# Altium PCB Evaluation Board.PcbDoc (part 11 of 22) (continued)
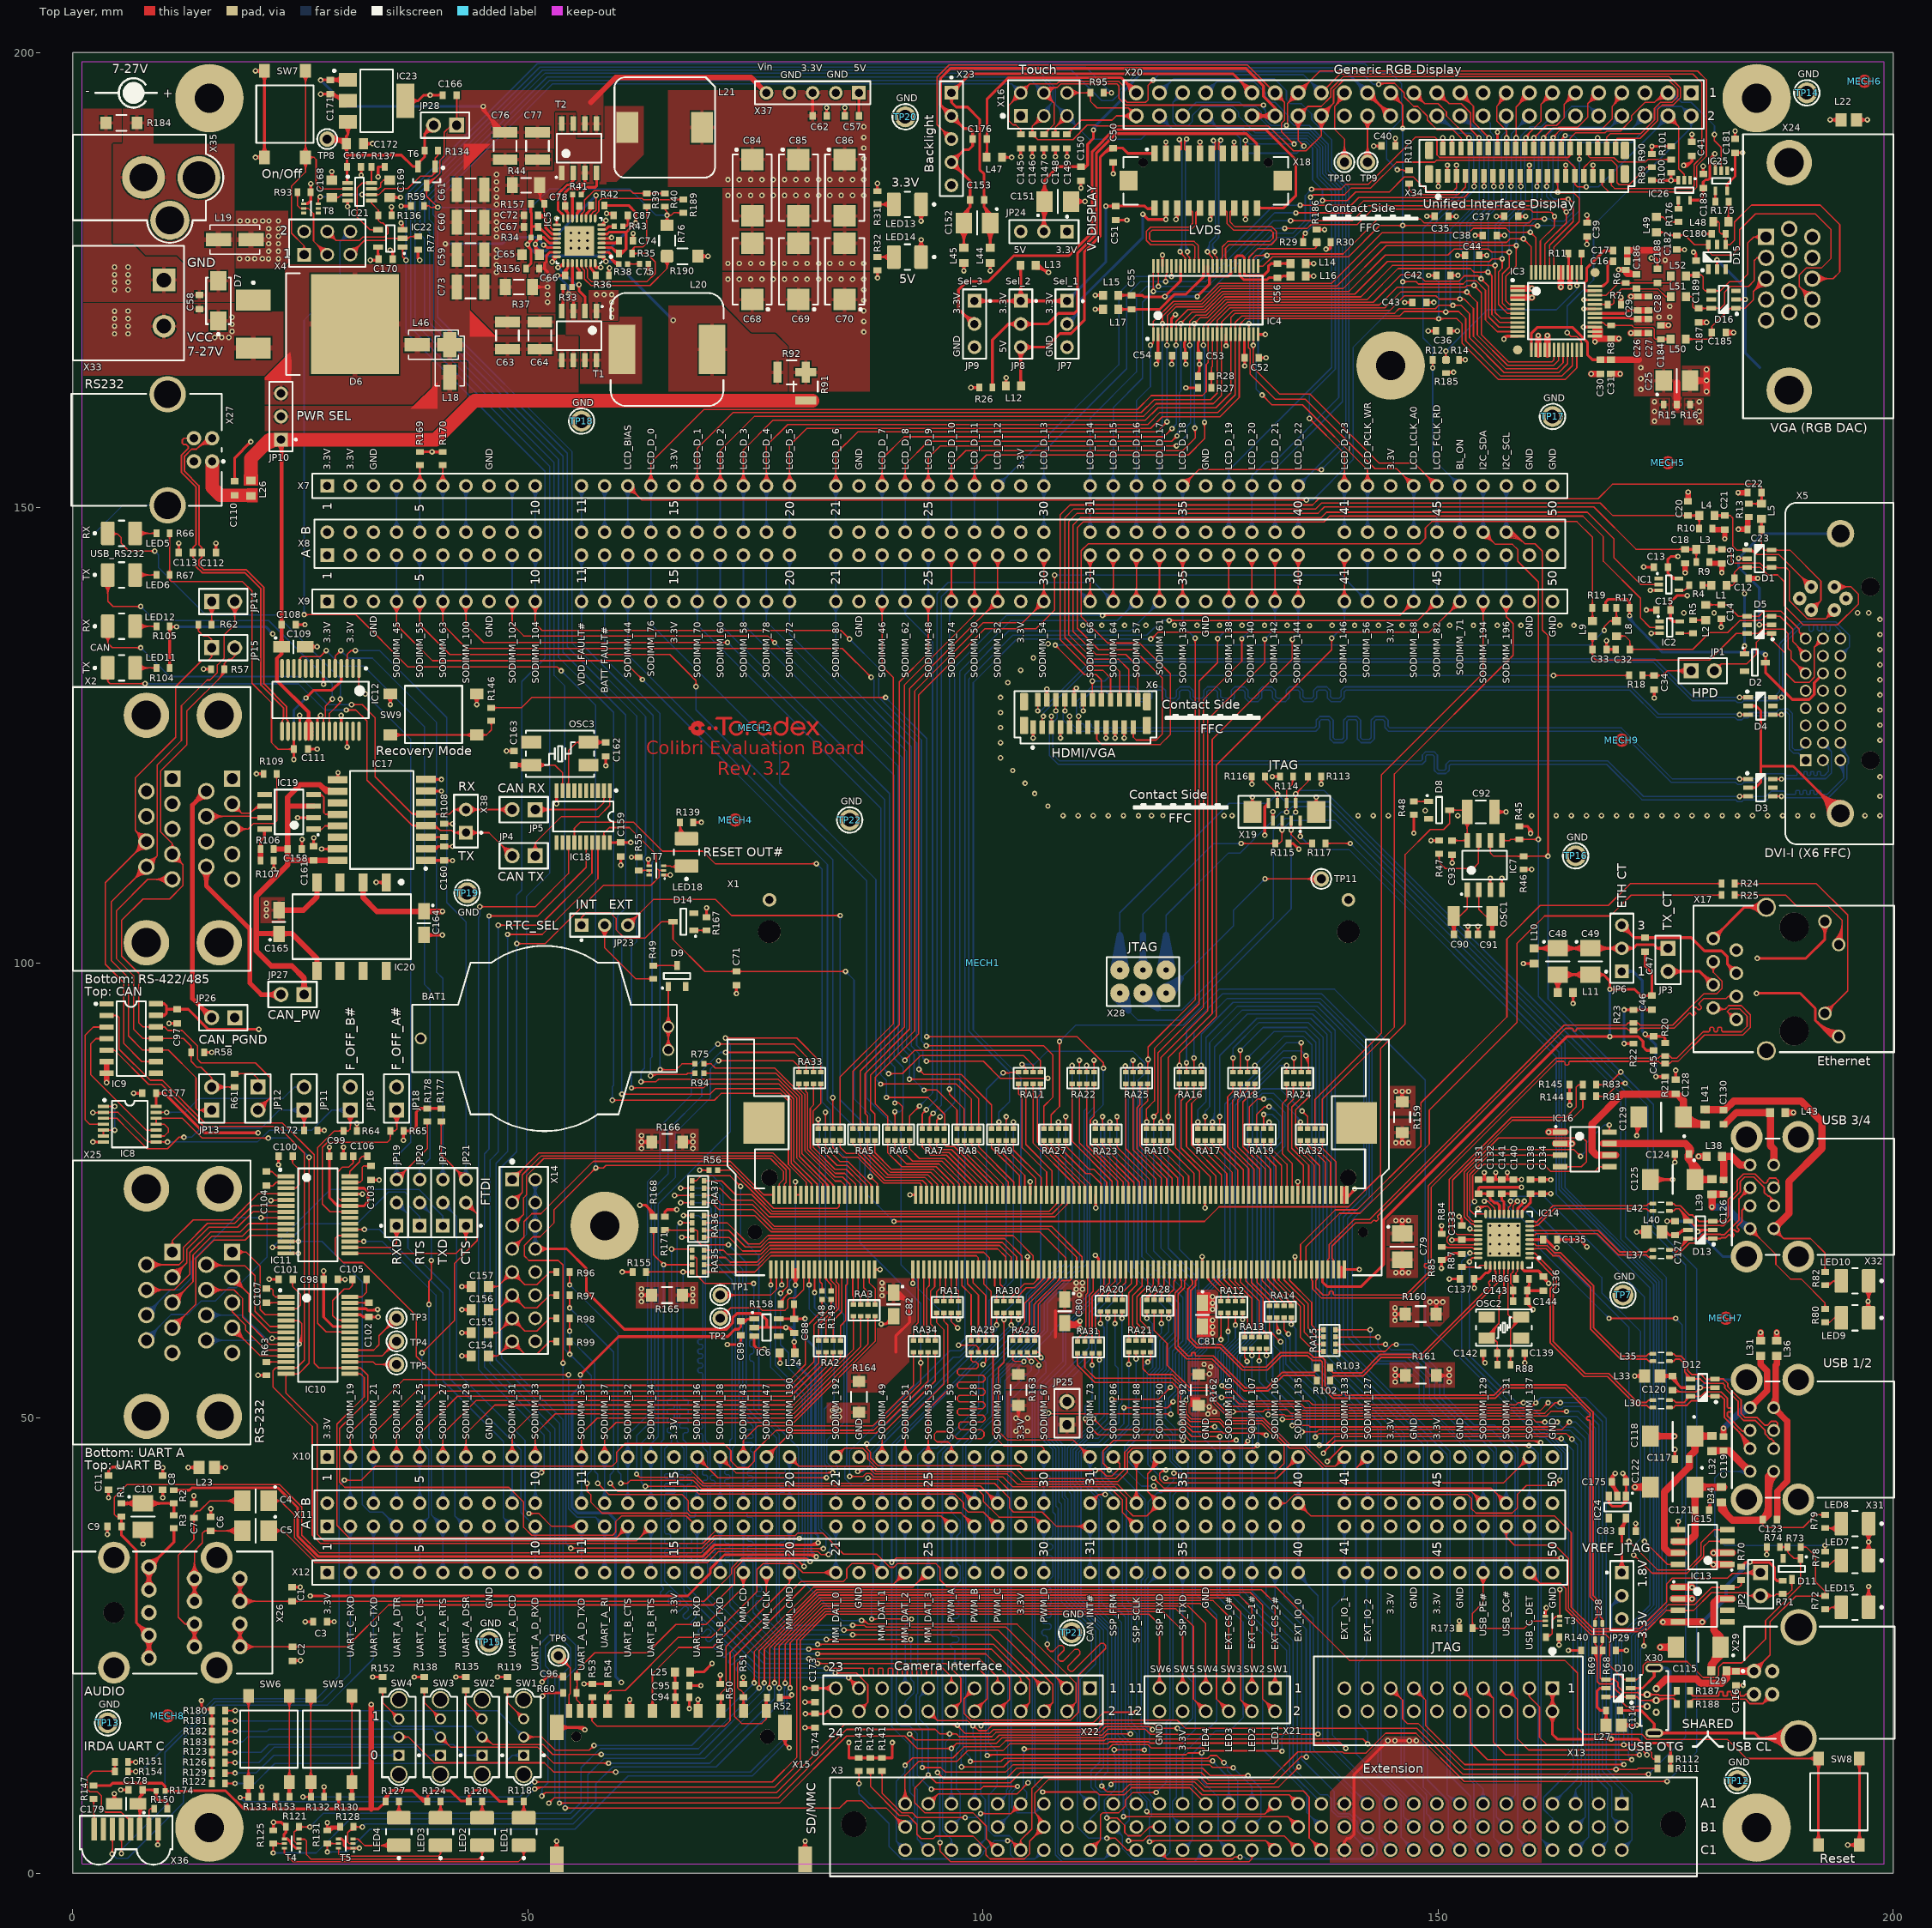
[diagram p0: Top Layer view]
## Nets (pads, with @x,y where several pads share a name; then routed paths per layer and width w, separated by ;. In a path a pad name is that pad's centre, name@x,y a point inside that pad or via, vN(x,y) a via of type N, cw(c..) or ccw(c..) an arc to the next point about the centre after c; other vN are vias at no path point) (continued)
LCD_D_20: X7.38 X8.B38 X20.45 | length 90.2
  Bottom Layer w0.15: X20.45@121.178,195.468 cw(c120.096,195.304) 120.87,194.53 ; X20.45@121.327,195.49 cw(c120.461,195.359) 121.08,194.74 cw(c121.699,194.121) X20.45@121.83,194.987 ; X20.45@121.475,195.513 cw(c120.826,195.415) 121.29,194.95 cw(c121.755,194.486) X20.45@121.853,195.135 ; X20.45@121.808,194.838 ccw(c121.644,193.756) 120.87,194.53 ; X20.45@121.92,195.58 120.87,194.53 ; X8.B38@129.063,147.797 ccw(c127.91,148.95) 129.54,148.95 ccw(c131.17,148.95) X8.B38@130.017,147.797 ; X7.38@129.063,151.923 cw(c127.91,150.77) 129.54,150.77 cw(c131.17,150.77) X7.38@130.017,151.923 ; X8.B38@129.169,147.691 ccw(c128.273,148.587) 129.54,148.587 ccw(c130.807,148.587) X8.B38@129.911,147.691 ; X7.38@129.169,152.029 cw(c128.273,151.133) 129.54,151.133 cw(c130.807,151.133) X7.38@129.911,152.029 ; X7.38@129.239,153.004 ccw(c128.997,153.49) 129.54,153.49 ; X8.B38@129.275,147.585 ccw(c128.635,148.225) 129.54,148.225 ccw(c130.445,148.225) X8.B38@129.805,147.585 ; X7.38@129.275,152.135 cw(c128.635,151.495) 129.54,151.495 cw(c130.445,151.495) X7.38@129.805,152.135 ; X7.38@129.306,152.87 ccw(c129.118,153.248) 129.54,153.248 ccw(c129.962,153.248) X7.38@129.774,152.87 ; X8.B38@129.54,147.32 X7.38@129.54,152.4 129.54,153.49 ; X7.38@129.841,153.004 cw(c130.083,153.49) 129.54,153.49 ; 120.87,194.53 120.87,192.38 121.26,191.99 122.565,191.99 122.97,192.395 122.97,193.07 123.99,194.09 127.435,194.09 128.092,193.433 128.092,193.003 129.92,191.175 135.815,191.175 137.325,189.665 137.325,186.674 139.075,184.924 139.075,162.1 132.025,155.05 131.1,155.05 129.54,153.49
LCD_D_21: X7.39 X8.B39 X20.46 | length 83
  Bottom Layer w0.15: X20.46@121.92,193.04 123.41,194.53 128.19,194.53 128.63,194.09 129.975,194.09 130.59,193.475 130.59,192.621 131.736,191.475 135.94,191.475 137.625,189.79 137.625,186.812 139.475,184.962 139.475,161.65 132.08,154.255 X7.39@132.08,152.4 X8.B39@132.08,147.32 ; X8.B39@131.603,147.797 ccw(c130.45,148.95) 132.08,148.95 ccw(c133.71,148.95) X8.B39@132.557,147.797 ; X7.39@131.603,151.923 cw(c130.45,150.77) 132.08,150.77 cw(c133.71,150.77) X7.39@132.557,151.923 ; X7.39@131.603,152.877 ccw(c130.45,154.03) 132.08,154.03 ccw(c133.71,154.03) X7.39@132.557,152.877 ; X8.B39@131.709,147.691 ccw(c130.813,148.587) 132.08,148.587 ccw(c133.347,148.587) X8.B39@132.451,147.691 ; X7.39@131.709,152.029 cw(c130.813,151.133) 132.08,151.133 cw(c133.347,151.133) X7.39@132.451,152.029 ; X7.39@131.709,152.771 ccw(c130.813,153.667) 132.08,153.667 ccw(c133.347,153.667) X7.39@132.451,152.771 ; X8.B39@131.815,147.585 ccw(c131.175,148.225) 132.08,148.225 ccw(c132.985,148.225) X8.B39@132.345,147.585 ; X7.39@131.815,152.135 cw(c131.175,151.495) 132.08,151.495 cw(c132.985,151.495) X7.39@132.345,152.135 ; X7.39@131.815,152.665 ccw(c131.175,153.305) 132.08,153.305 ccw(c132.985,153.305) X7.39@132.345,152.665
LCD_D_22: X7.40 X8.B40 X20.43 | length 87.1
  Bottom Layer w0.15: X20.43@124.46,195.58 125.68,196.8 ; X20.43@124.476,196.03 ccw(c124.509,196.995) 125.192,196.312 ccw(c125.875,195.629) X20.43@124.91,195.596 ; X20.43@124.481,196.18 ccw(c124.526,197.466) 125.436,196.556 ccw(c126.346,195.646) X20.43@125.06,195.601 ; X20.43@124.486,196.33 ccw(c124.542,197.938) 125.68,196.8 ; X20.43@125.21,195.606 cw(c126.818,195.662) 125.68,196.8 ; X8.B40@134.143,147.797 ccw(c132.99,148.95) 134.62,148.95 ccw(c136.25,148.95) X8.B40@135.097,147.797 ; X7.40@134.143,151.923 cw(c132.99,150.77) 134.62,150.77 cw(c136.25,150.77) X7.40@135.097,151.923 ; X8.B40@134.249,147.691 ccw(c133.353,148.587) 134.62,148.587 ccw(c135.887,148.587) X8.B40@134.991,147.691 ; X7.40@134.249,152.029 cw(c133.353,151.133) 134.62,151.133 cw(c135.887,151.133) X7.40@134.991,152.029 ; X8.B40@134.355,147.585 ccw(c133.715,148.225) 134.62,148.225 ccw(c135.525,148.225) X8.B40@134.885,147.585 ; X7.40@134.355,152.135 cw(c133.715,151.495) 134.62,151.495 cw(c135.525,151.495) X7.40@134.885,152.135 ; X8.B40@134.62,147.32 X7.40@134.62,152.4 139.85,157.63 139.85,185.1 137.925,187.025 137.925,189.914 135.849,191.99 134.185,191.99 133.57,192.605 133.57,193.035 132.075,194.53 131.645,194.53 131.03,195.145 131.03,195.575 129.805,196.8 125.68,196.8 ; X7.40@134.62,152.775 ccw(c134.62,153.68) 135.26,153.04 ccw(c135.9,152.4) X7.40@134.995,152.4 ; X7.40@134.62,152.925 ccw(c134.62,154.192) 135.516,153.296 ccw(c136.412,152.4) X7.40@135.145,152.4 ; X7.40@134.62,153.075 ccw(c134.62,154.705) 135.772,153.552 ccw(c136.925,152.4) X7.40@135.295,152.4
LCD_D_23: X7.41 X8.B41 X20.44 | length 86.2
  Top Layer w0.15: v1@135.85,159.575 cw(c135.85,159.017) 136.244,159.412 ; v1@135.853,159.803 139.7,155.956 X7.41@139.7,152.4 ; v1@136.075,159.8 ccw(c136.604,159.8) 136.23,159.426 ; X7.41@139.223,152.877 ccw(c138.07,154.03) 139.7,154.03 ccw(c141.33,154.03) X7.41@140.177,152.877 ; X7.41@139.329,152.771 ccw(c138.433,153.667) 139.7,153.667 ccw(c140.967,153.667) X7.41@140.071,152.771 ; X7.41@139.435,152.665 ccw(c138.795,153.305) 139.7,153.305 ccw(c140.605,153.305) X7.41@139.965,152.665
  Bottom Layer w0.15: X20.44@124.46,193.04 125.725,191.775 ; X20.44@124.464,192.59 cw(c124.473,191.535) 125.219,192.281 cw(c125.965,193.027) X20.44@124.91,193.036 ; X20.44@124.465,192.44 cw(c124.477,191.033) 125.472,192.028 cw(c126.467,193.023) X20.44@125.06,193.035 ; X20.44@124.466,192.29 cw(c124.482,190.532) 125.725,191.775 ; X20.44@125.21,193.034 ccw(c126.968,193.018) 125.725,191.775 ; v1@135.691,159.959 ccw(c135.307,160.343) 135.85,160.343 ccw(c136.393,160.343) v1@136.009,159.959 ; v1(135.85,159.8) 135.85,162.375 138.7,165.225 138.7,184.775 137.025,186.45 137.025,189.541 135.691,190.875 129.525,190.875 128.625,191.775 125.725,191.775 ; X8.B41@139.223,147.797 ccw(c138.07,148.95) 139.7,148.95 ccw(c141.33,148.95) X8.B41@140.177,147.797 ; X7.41@139.223,151.923 cw(c138.07,150.77) 139.7,150.77 cw(c141.33,150.77) X7.41@140.177,151.923 ; X8.B41@139.329,147.691 ccw(c138.433,148.587) 139.7,148.587 ccw(c140.967,148.587) X8.B41@140.071,147.691 ; X7.41@139.329,152.029 cw(c138.433,151.133) 139.7,151.133 cw(c140.967,151.133) X7.41@140.071,152.029 ; X8.B41@139.435,147.585 ccw(c138.795,148.225) 139.7,148.225 ccw(c140.605,148.225) X8.B41@139.965,147.585 ; X7.41@139.435,152.135 cw(c138.795,151.495) 139.7,151.495 cw(c140.605,151.495) X7.41@139.965,152.135 ; X7.41@139.497,152.4 X7.41@139.7,152.4 X8.B41@139.7,147.32
LCD_FCLK_RD: IC4.23 IC26.2 X7.45 X8.B45 X20.4 X34.31 | length 146.9
  Top Layer w0.15: v1@129.533,167.684 cw(c129.149,167.3) 129.692,167.3 cw(c130.236,167.3) v1@129.851,167.684 ; IC4.23@129.657,168.393 cw(c129.529,168.265) 129.71,168.265 cw(c129.891,168.265) IC4.23@129.763,168.393 ; v1(129.692,167.843) 129.692,165.358 132.575,162.475 135.925,162.475 143.511,154.889 147.371,154.889 X7.45@149.86,152.4 ; v1@129.71,167.86 IC4.23@129.71,169.046 ; v1(135.966,184.104) 136.237,184.375 ; v1@136.028,184.32 ccw(c136.086,184.526) 136.237,184.375 ; v1@136.183,184.165 cw(c136.388,184.224) 136.237,184.375 ; X7.45@149.185,152.4 ccw(c147.555,152.4) 148.708,153.552 ccw(c149.86,154.705) X7.45@149.86,153.075 ; X7.45@149.335,152.4 ccw(c148.068,152.4) 148.964,153.296 ccw(c149.86,154.192) X7.45@149.86,152.925 ; X7.45@149.485,152.4 ccw(c148.58,152.4) 149.22,153.04 ccw(c149.86,153.68) X7.45@149.86,152.775 ; X34.31@164.872,185.837 cw(c164.615,185.529) 165.016,185.529 ; X34.31@164.877,187.087 ccw(c164.654,187.372) 165.016,187.372 ; X34.31@165.155,187.087 cw(c165.378,187.372) 165.016,187.372 ; X34.31@165.16,185.837 ccw(c165.417,185.529) 165.016,185.529 ; v1@166.109,185.083 ccw(c165.725,184.699) 165.725,185.242 ccw(c165.725,185.785) v1@166.109,185.401 ; v1(166.268,185.242) 165.303,185.242 165.016,185.529 ; X20.4@175.26,193.04 176.425,191.875 ; X20.4@175.291,192.591 cw(c175.35,191.732) 175.959,192.341 cw(c176.568,192.95) X20.4@175.709,193.009 ; X20.4@175.301,192.441 cw(c175.381,191.297) 176.192,192.108 cw(c177.003,192.919) X20.4@175.859,192.999 ; X20.4@175.312,192.292 cw(c175.411,190.861) 176.425,191.875 ; X20.4@176.008,192.988 ccw(c177.439,192.889) 176.425,191.875 ; IC26.2@176.95,186.348 ccw(c176.736,186.562) 177.038,186.562 ccw(c177.34,186.562) IC26.2@177.126,186.348 ; IC26.2@177.038,185.985 177.038,186.612 176.425,187.225 176.425,191.875 ; 136.237,184.375 139.7,184.375 140.45,185.125 142.597,185.125 145.432,187.96 149.606,187.96 149.801,188.155 164.233,188.155 165.016,187.372 ; 165.016,185.529 X34.31@165.016,186.46 165.016,187.372
  Bottom Layer w0.15: v1@129.533,168.002 ccw(c129.046,168.489) 129.735,168.489 ; v1@129.735,167.843 129.735,177.135 132.275,179.675 134.1,179.675 135.95,181.525 135.95,184.088 v1(135.966,184.104) ; 129.735,168.284 ccw(c130.133,168.284) v1@129.851,168.002 ; v1@135.807,183.945 cw(c135.462,183.6) 135.95,183.6 ; 135.95,183.522 cw(c136.549,183.522) v1@136.125,183.945 ; X8.B45@149.383,147.797 ccw(c148.23,148.95) 149.86,148.95 ccw(c151.49,148.95) X8.B45@150.337,147.797 ; X7.45@149.383,151.923 cw(c148.23,150.77) 149.86,150.77 cw(c151.49,150.77) X7.45@150.337,151.923 ; X8.B45@149.489,147.691 ccw(c148.593,148.587) 149.86,148.587 ccw(c151.127,148.587) X8.B45@150.231,147.691 ; X7.45@149.489,152.029 cw(c148.593,151.133) 149.86,151.133 cw(c151.127,151.133) X7.45@150.231,152.029 ; X8.B45@149.595,147.585 ccw(c148.955,148.225) 149.86,148.225 ccw(c150.765,148.225) X8.B45@150.125,147.585 ; X7.45@149.595,152.135 cw(c148.955,151.495) 149.86,151.495 cw(c150.765,151.495) X7.45@150.125,152.135 ; X8.B45@149.86,147.32 X7.45@149.86,152.4 ; v1(166.268,185.242) 167.615,185.242 175.26,192.888 X20.4@175.26,193.04 ; v1@166.427,185.083 cw(c166.812,184.699) 166.812,185.242 cw(c166.812,185.785) v1@166.427,185.401 ; 173.872,191.5 ccw(c172.331,193.04) X20.4@174.51,193.04 ; 174.128,191.756 ccw(c172.844,193.04) X20.4@174.66,193.04 ; 174.24,191.867 cw(c175.26,190.847) X20.4@175.26,192.29 ; 174.384,192.012 ccw(c173.356,193.04) X20.4@174.81,193.04 ; 174.496,192.123 cw(c175.26,191.359) X20.4@175.26,192.44 ; 174.64,192.268 ccw(c173.868,193.04) X20.4@174.96,193.04 ; 174.752,192.38 cw(c175.26,191.872) X20.4@175.26,192.59
LCD_LCLK_A0: IC4.22 IC25.2 X7.44 X8.B44 X20.3 X34.30 | length 150.4
  Top Layer w0.15: IC4.22@129.157,169.699 ccw(c129.029,169.827) 129.21,169.827 ccw(c129.391,169.827) IC4.22@129.263,169.699 ; 129.167,168.162 cw(c129.494,168.162) IC4.22@129.263,168.393 ; v2(129.21,170.232) IC4.22@129.21,169.046 129.167,169.004 129.167,167.581 129.337,167.411 129.337,164.688 132.1,161.925 135.4,161.925 143.05,154.275 145.445,154.275 X7.44@147.32,152.4 ; v1(136.093,184.988) 139.313,184.988 139.875,185.55 142.363,185.55 147.548,190.735 149.618,190.735 149.875,190.478 149.875,188.754 150.154,188.475 164.32,188.475 ; v1@136.252,184.829 cw(c136.636,184.445) 136.636,184.988 cw(c136.636,185.531) v1@136.252,185.147 ; X7.44@146.645,152.4 ccw(c145.015,152.4) 146.168,153.552 ccw(c147.32,154.705) X7.44@147.32,153.075 ; X7.44@146.795,152.4 ccw(c145.528,152.4) 146.424,153.296 ccw(c147.32,154.192) X7.44@147.32,152.925 ; X7.44@146.945,152.4 ccw(c146.04,152.4) 146.68,153.04 ccw(c147.32,153.68) X7.44@147.32,152.775 ; X34.30@164.341,188.869 cw(c164.111,188.684) 164.32,188.475 ; X34.30@164.357,190.069 ccw(c163.973,190.453) 164.516,190.453 ccw(c165.059,190.453) X34.30@164.675,190.069 ; X34.30@164.429,188.803 cw(c164.374,188.671) 164.516,188.671 ; 164.438,188.593 ccw(c164.242,188.789) X34.30@164.458,188.963 ; X34.30@164.516,189.46 164.516,188.671 ; X34.30@164.516,189.471 164.516,190.602 165.1,191.186 168.326,191.186 168.524,191.384 170.009,191.384 171.23,192.605 171.23,193.035 172.725,194.53 173.77,194.53 ; X34.30@164.556,188.711 ccw(c164.373,188.894) X34.30@164.574,189.057 ; X34.30@164.603,188.803 ccw(c164.658,188.671) 164.516,188.671 ; 173.95,194.71 cw(c174.77,193.889) X20.3@175.093,195.004 ; 174.129,194.889 cw(c174.851,194.167) X20.3@175.135,195.148 ; 174.291,195.051 ccw(c173.762,195.58) X20.3@174.51,195.58 ; 174.309,195.069 cw(c174.931,194.446) X20.3@175.177,195.292 ; 174.488,195.248 cw(c175.012,194.724) X20.3@175.218,195.436 ; X20.3@175.051,194.86 ccw(c174.69,193.61) 173.77,194.53 ; X20.3@175.26,195.58 174.82,195.58 173.77,194.53 ; v1@180.191,190.841 cw(c179.807,190.457) 180.35,190.457 cw(c180.893,190.457) v1@180.509,190.841 ; v1(180.35,191) 180.35,190.341 181.102,189.589 IC25.2@181.102,187.001 ; IC25.2@181.014,187.364 ccw(c180.8,187.578) 181.102,187.578 ccw(c181.404,187.578) IC25.2@181.19,187.364 ; 164.32,188.475 164.516,188.671
  Bottom Layer w0.15: v2@129.051,170.391 ccw(c128.407,171.035) 129.318,171.035 ; v2@129.157,170.285 ccw(c128.769,170.673) 129.318,170.673 ; v2(129.21,170.232) 129.318,170.34 129.318,177.543 131.937,180.162 134.037,180.162 135.4,181.525 135.4,184.295 v1(136.093,184.988) ; 129.318,170.515 ccw(c129.493,170.515) v2@129.369,170.391 ; v1@135.868,184.988 cw(c135.325,184.988) 135.709,184.604 cw(c136.093,184.22) v1@136.093,184.763 ; X8.B44@146.843,147.797 ccw(c145.69,148.95) 147.32,148.95 ccw(c148.95,148.95) X8.B44@147.797,147.797 ; X7.44@146.843,151.923 cw(c145.69,150.77) 147.32,150.77 cw(c148.95,150.77) X7.44@147.797,151.923 ; X8.B44@146.949,147.691 ccw(c146.053,148.587) 147.32,148.587 ccw(c148.587,148.587) X8.B44@147.691,147.691 ; X7.44@146.949,152.029 cw(c146.053,151.133) 147.32,151.133 cw(c148.587,151.133) X7.44@147.691,152.029 ; X8.B44@147.055,147.585 ccw(c146.415,148.225) 147.32,148.225 ccw(c148.225,148.225) X8.B44@147.585,147.585 ; X7.44@147.055,152.135 cw(c146.415,151.495) 147.32,151.495 cw(c148.225,151.495) X7.44@147.585,152.135 ; X8.B44@147.32,147.32 X7.44@147.32,152.4 ; X20.3@175.26,195.58 175.7,195.58 176.75,194.53 ; X20.3@175.302,195.436 cw(c175.508,194.724) 176.032,195.248 ; X20.3@175.343,195.292 cw(c175.589,194.446) 176.211,195.069 ; X20.3@175.385,195.148 cw(c175.669,194.167) 176.391,194.889 ; X20.3@175.427,195.004 cw(c175.75,193.889) 176.57,194.71 ; X20.3@175.469,194.86 cw(c175.83,193.61) 176.75,194.53 ; X20.3@176.01,195.58 ccw(c176.758,195.58) 176.229,195.051 ; v1@180.191,191.159 ccw(c179.768,191.582) 180.366,191.582 ; v1(180.35,191) 180.366,191.016 180.366,191.959 177.795,194.53 176.75,194.53 ; 180.366,191.505 ccw(c180.855,191.505) v1@180.509,191.159
LCD_PCLK_WR: IC3.24 IC4.26 X7.42 X8.B42 X20.2 X34.28 | length 172.9
  Top Layer w0.15: IC4.26@129.657,177.199 ccw(c129.529,177.327) 129.71,177.327 ccw(c129.891,177.327) IC4.26@129.763,177.199 ; IC4.26@129.71,176.546 129.71,177.437 129.998,177.725 v1(131.2,177.725) 131.35,177.875 139.546,177.875 143.401,181.729 148.025,181.729 148.454,181.3 159.996,181.3 160.425,181.729 v1(161.684,181.729) ; v1@130.658,162.157 cw(c130.658,161.614) 131.042,161.998 cw(c131.426,162.382) v1@130.883,162.382 ; v1(130.658,162.382) 131.735,161.305 135.093,161.305 142.24,154.158 X7.42@142.24,152.4 ; v1@131.041,177.566 ccw(c130.657,177.182) 130.657,177.725 ccw(c130.657,178.268) v1@131.041,177.884 ; X7.42@141.763,152.877 ccw(c140.61,154.03) 142.24,154.03 ccw(c143.87,154.03) X7.42@142.717,152.877 ; X7.42@141.869,152.771 ccw(c140.973,153.667) 142.24,153.667 ccw(c143.507,153.667) X7.42@142.611,152.771 ; X7.42@141.975,152.665 ccw(c141.335,153.305) 142.24,153.305 ccw(c143.145,153.305) X7.42@142.505,152.665 ; v1@161.525,181.57 ccw(c161.141,181.186) 161.141,181.729 ccw(c161.141,182.272) v1@161.525,181.888 ; X34.28@163.36,190.072 ccw(c163.004,190.44) 163.516,190.44 ; X34.28@163.516,189.46 163.516,190.44 ; X34.28@163.672,190.072 cw(c164.028,190.44) 163.516,190.44 ; v1@163.732,190.881 cw(c163.189,190.881) 163.573,190.497 cw(c163.957,190.113) v1@163.957,190.656 ; v1(163.957,190.881) 163.516,190.44 ; v2@164.175,169.005 cw(c164.175,168.462) 164.559,168.846 cw(c164.943,169.23) v2@164.4,169.23 ; v2(164.175,169.23) 164.605,168.8 165.225,168.8 165.731,168.294 IC3.24@165.731,167.342 ; IC3.24@165.678,168.045 ccw(c165.55,168.173) 165.731,168.173 ccw(c165.913,168.173) IC3.24@165.785,168.045
  Bottom Layer w0.15: v1@130.433,162.382 ccw(c129.889,162.382) 130.273,162.766 ccw(c130.658,163.15) v1@130.658,162.607 ; 130.652,177.273 cw(c131.2,176.725) v1@131.2,177.5 ; v1(130.658,162.382) 130.023,163.017 130.023,166.624 130.217,166.819 130.217,176.838 v1@131.104,177.725 ; 130.884,177.505 ccw(c130.664,177.725) v1@130.975,177.725 ; 130.908,177.529 cw(c131.2,177.237) v1@131.2,177.65 ; X8.B42@141.763,147.797 ccw(c140.61,148.95) 142.24,148.95 ccw(c143.87,148.95) X8.B42@142.717,147.797 ; X7.42@141.763,151.923 cw(c140.61,150.77) 142.24,150.77 cw(c143.87,150.77) X7.42@142.717,151.923 ; X8.B42@141.869,147.691 ccw(c140.973,148.587) 142.24,148.587 ccw(c143.507,148.587) X8.B42@142.611,147.691 ; X7.42@141.869,152.029 cw(c140.973,151.133) 142.24,151.133 cw(c143.507,151.133) X7.42@142.611,152.029 ; X8.B42@141.975,147.585 ccw(c141.335,148.225) 142.24,148.225 ccw(c143.145,148.225) X8.B42@142.505,147.585 ; X7.42@141.975,152.135 cw(c141.335,151.495) 142.24,151.495 cw(c143.145,151.495) X7.42@142.505,152.135 ; X8.B42@142.24,147.32 X7.42@142.24,152.4 ; v1(161.684,181.729) 162.308,181.729 162.571,181.466 163.793,181.466 164.897,182.569 164.897,187.554 163.957,188.493 v1(163.957,190.881) 164.897,190.881 165.673,190.105 171.27,190.105 173.77,192.605 173.77,193.633 174.227,194.09 176.75,194.09 ; v1@161.843,181.57 cw(c162.227,181.186) 162.227,181.729 cw(c162.227,182.272) v1@161.843,181.888 ; v1@163.798,190.722 cw(c163.414,190.338) 163.957,190.338 cw(c164.5,190.338) 164.116,190.722 cw(c164.5,190.338) 164.5,190.881 cw(c164.5,191.424) v1@164.116,191.04 ; v2@164.016,169.389 ccw(c163.632,169.773) 164.175,169.773 ccw(c164.718,169.773) v2@164.334,169.389 ; v2(164.175,169.23) 164.175,172.151 167.075,175.051 167.075,181.025 177.8,191.75 ; X20.2@177.058,193.152 ccw(c175.976,193.316) 176.75,194.09 ; X20.2@177.207,193.13 ccw(c176.341,193.261) 176.96,193.88 ccw(c177.579,194.499) X20.2@177.71,193.633 ; X20.2@177.355,193.107 ccw(c176.706,193.205) 177.17,193.67 ccw(c177.635,194.134) X20.2@177.733,193.485 ; X20.2@177.429,192.388 cw(c177.066,191.75) 177.8,191.75 ; X20.2@177.503,192.519 cw(c177.213,192.008) 177.8,192.008 cw(c178.387,192.008) X20.2@178.097,192.519 ; X20.2@177.688,193.782 cw(c177.524,194.864) 176.75,194.09 ; X20.2@178.171,192.388 ccw(c178.534,191.75) 177.8,191.75 ; 176.75,194.09 X20.2@177.8,193.04 177.8,191.75
LED_1: R121.2 T4.2 X21.2 | length 147.9
  Top Layer w0.15: 24.499,4.724 ccw(c24.243,4.98) R121.2@24.605,4.98 ; R121.2@24.541,4.766 cw(c24.82,4.487) R121.2@24.848,4.88 ; T4.2@24.818,3.251 24.565,3.251 24.308,3.508 24.308,4.533 ; R121.2@24.837,4.731 ccw(c24.789,4.053) 24.308,4.533 ; R121.2@25.032,4.903 cw(c25.447,4.488) 25.447,5.075 ; R121.2@25.032,5.257 ccw(c25.471,5.696) 25.471,5.075 ; v1@25.866,4.916 ccw(c25.482,4.532) 25.482,5.075 ccw(c25.482,5.618) v1@25.866,5.234 ; v1(26.025,5.075) 24.86,5.075 R121.2@24.855,5.08 24.308,4.533 ; v1@75.241,20.509 ccw(c74.857,20.893) 75.4,20.893 ccw(c75.943,20.893) v1@75.559,20.509 ; v1@75.4,20.375 75.4,24.444 81.801,30.845 129.355,30.845 130.725,29.475 130.725,19.135 X21.2@132.08,17.78 ; X21.2@131.405,17.78 ccw(c129.775,17.78) 130.928,18.932 ccw(c132.08,20.085) X21.2@132.08,18.455 ; X21.2@131.555,17.78 ccw(c130.288,17.78) 131.184,18.676 ccw(c132.08,19.572) X21.2@132.08,18.305 ; X21.2@131.705,17.78 ccw(c130.8,17.78) 131.44,18.42 ccw(c132.08,19.06) X21.2@132.08,18.155
  Bottom Layer w0.15: v1(26.025,5.075) 27.525,6.575 54.65,6.575 55.825,7.75 55.825,11.567 57.933,13.675 68.725,13.675 v1(75.4,20.35) ; v1@26.025,5.3 ccw(c26.025,5.843) 26.409,5.459 ccw(c26.793,5.075) v1@26.25,5.075 ; v1@75.175,20.35 cw(c74.632,20.35) 75.016,19.966 cw(c75.4,19.582) v1@75.4,20.125
LED_2: R125.2 T4.5 X21.4 | length 148.8
  Top Layer w0.15: R125.2@21.82,3.074 cw(c21.384,2.639) 22,2.639 ; v1@21.841,2.384 ccw(c21.457,2.768) 22,2.768 ccw(c22.543,2.768) v1@22.159,2.384 ; v1(22,2.225) 22,3.248 R125.2@21.996,3.251 T4.5@23.238,3.251 ; 22,2.656 cw(c22.591,2.656) R125.2@22.173,3.074 ; R125.2@22.273,3.074 cw(c22.7,2.648) 22.7,3.251 cw(c22.7,3.855) R125.2@22.273,3.428 ; T4.5@23.05,3.198 ccw(c22.922,3.07) 22.922,3.251 ccw(c22.922,3.432) T4.5@23.05,3.304 ; v1@76.341,20.509 ccw(c75.836,21.014) 76.55,21.014 ; v1@76.447,20.403 ccw(c76.198,20.652) 76.55,20.652 ; v1@76.55,20.355 76.55,24.746 82.049,30.245 126.755,30.245 128.3,28.7 128.3,19.02 X21.4@129.54,17.78 ; 76.55,20.772 ccw(c76.922,20.772) v1@76.659,20.509 ; X21.4@128.865,17.78 ccw(c127.235,17.78) 128.388,18.932 ccw(c129.54,20.085) X21.4@129.54,18.455 ; X21.4@129.015,17.78 ccw(c127.748,17.78) 128.644,18.676 ccw(c129.54,19.572) X21.4@129.54,18.305 ; X21.4@129.165,17.78 ccw(c128.26,17.78) 128.9,18.42 ccw(c129.54,19.06) X21.4@129.54,18.155
  Bottom Layer w0.15: v1(22,2.225) 26.725,2.225 30.475,5.975 54.75,5.975 56.575,7.8 56.575,10.833 58.342,12.6 69.4,12.6 76.5,19.7 v1(76.5,20.35) ; v1@22.159,2.066 cw(c22.543,1.682) 22.543,2.225 cw(c22.543,2.768) v1@22.159,2.384 ; v1@76.341,20.191 cw(c75.957,19.807) 76.5,19.807 cw(c77.043,19.807) v1@76.659,20.191
LED_3: R128.2 T5.2 X21.6 | length 135.5
  Top Layer w0.15: 30.182,4.464 cw(c30.825,3.821) R128.2@30.825,4.73 ; 30.439,4.72 cw(c30.825,4.333) R128.2@30.825,4.88 ; 30.488,4.769 ccw(c30.277,4.98) R128.2@30.575,4.98 ; T5.2@30.574,3.198 ccw(c30.446,3.07) 30.446,3.251 ccw(c30.446,3.432) T5.2@30.574,3.304 ; T5.2@30.762,3.251 30.349,3.251 30.175,3.425 30.175,4.456 R128.2@30.799,5.08 ; R128.2@30.825,5.08 31.795,5.08 v1(31.8,5.075) ; R128.2@31.002,4.903 cw(c31.429,4.476) 31.429,5.08 cw(c31.429,5.684) R128.2@31.002,5.257 ; 31.245,5.08 cw(c31.245,4.52) v1@31.641,4.916 ; 31.269,5.08 ccw(c31.269,5.606) v1@31.641,5.234 ; v1@77.441,20.509 ccw(c77.057,20.893) 77.6,20.893 ccw(c78.143,20.893) v1@77.759,20.509 ; v1(77.6,20.35) 77.6,24.947 82.298,29.645 123.83,29.645 125.645,27.83 125.645,19.135 X21.6@127,17.78 ; X21.6@126.325,17.78 ccw(c124.695,17.78) 125.848,18.932 ccw(c127,20.085) X21.6@127,18.455 ; X21.6@126.475,17.78 ccw(c125.208,17.78) 126.104,18.676 ccw(c127,19.572) X21.6@127,18.305 ; X21.6@126.625,17.78 ccw(c125.72,17.78) 126.36,18.42 ccw(c127,19.06) X21.6@127,18.155
  Bottom Layer w0.15: v1(31.8,5.075) 31.8,5.096 32.093,5.388 ; v1@31.829,5.298 ccw(c31.869,5.612) 32.093,5.388 ; v1@32.019,5.127 cw(c32.289,5.192) 32.093,5.388 ; v1@77.441,20.191 cw(c77.057,19.807) 77.6,19.807 cw(c78.143,19.807) v1@77.759,20.191 ; v1(77.6,20.35) 77.6,18.6 70.675,11.675 59.3,11.675 57.45,9.825 57.45,7.9 54.938,5.388 32.093,5.388
LED_4: R131.2 T5.5 X21.8 | length 135.8
  Top Layer w0.15: R131.2@27.763,3.074 cw(c27.312,2.623) v1@27.95,2.623 ; v1(27.95,2.325) 27.95,3.241 R131.2@27.94,3.251 T5.5@29.182,3.251 ; 27.95,2.672 cw(c28.519,2.672) R131.2@28.117,3.074 ; R131.2@28.217,3.074 cw(c28.644,2.648) 28.644,3.251 cw(c28.644,3.855) R131.2@28.217,3.428 ; T5.5@28.994,3.198 ccw(c28.866,3.07) 28.866,3.251 ccw(c28.866,3.432) T5.5@28.994,3.304 ; v1@78.641,20.509 ccw(c78.257,20.893) 78.8,20.893 ccw(c79.343,20.893) v1@78.959,20.509 ; v1(78.8,20.35) 78.8,25.299 82.546,29.045 121.18,29.045 123.105,27.12 123.105,19.135 X21.8@124.46,17.78 ; X21.8@123.785,17.78 ccw(c122.155,17.78) 123.308,18.932 ccw(c124.46,20.085) X21.8@124.46,18.455 ; X21.8@123.935,17.78 ccw(c122.668,17.78) 123.564,18.676 ccw(c124.46,19.572) X21.8@124.46,18.305 ; X21.8@124.085,17.78 ccw(c123.18,17.78) 123.82,18.42 ccw(c124.46,19.06) X21.8@124.46,18.155
  Bottom Layer w0.15: v1(27.95,2.325) 30.125,2.325 32.65,4.85 55.175,4.85 61,10.675 74.65,10.675 78.45,14.475 78.45,20 ; v1@28.109,2.166 cw(c28.493,1.782) 28.493,2.325 cw(c28.493,2.868) v1@28.109,2.484 ; v1@78.576,20.335 cw(c78.145,20.305) 78.45,20 ; v1@78.785,20.126 ccw(c78.755,19.695) 78.45,20 ; v1(78.8,20.35) 78.45,20
LINEIN_L: C2.2 X1.5 X26.34 X26.35 | length 132.4
  Top Layer w0.15: X26.35@17.802,25.423 ccw(c16.479,26.746) 18.35,26.746 ccw(c20.221,26.746) 18.898,25.423 ccw(c20.221,26.746) 20.221,24.875 ccw(c20.221,23.004) X26.35@18.898,24.327 ; X26.34@17.802,26.827 cw(c16.479,25.504) 18.35,25.504 cw(c20.221,25.504) X26.34@18.898,26.827 ; X26.35@17.908,25.317 ccw(c16.841,26.384) 18.35,26.384 ccw(c19.859,26.384) 18.792,25.317 ccw(c19.859,26.384) 19.859,24.875 ccw(c19.859,23.366) X26.35@18.792,24.433 ; X26.34@17.908,26.933 cw(c16.841,25.866) 18.35,25.866 cw(c19.859,25.866) X26.34@18.792,26.933 ; X26.35@18.014,25.211 ccw(c17.203,26.021) 18.35,26.021 ccw(c19.497,26.021) 18.686,25.211 ccw(c19.497,26.021) 19.497,24.875 ccw(c19.497,23.728) X26.35@18.686,24.539 ; X26.34@18.014,27.039 cw(c17.203,26.228) 18.35,26.228 cw(c19.497,26.228) X26.34@18.686,27.039 ; X26.34@18.129,26.632 cw(c18.065,26.419) 18.283,26.379 cw(c18.576,26.326) X26.34@18.514,26.617 ; X26.34@18.187,26.617 cw(c18.124,26.326) 18.417,26.379 cw(c18.636,26.419) X26.34@18.572,26.632 ; X26.34@18.35,27.375 X26.35@18.35,24.875 C2.2@24.13,24.875 30.1,24.875 34.689,29.464 70.336,29.464 72.685,31.814 72.685,33.424 73.561,34.3 79.725,34.3 v1(80.325,33.7) ; C2.2@23.861,24.68 ccw(c23.391,24.211) 23.391,24.875 ccw(c23.391,25.539) C2.2@23.861,25.069 ; C2.2@24.399,24.68 cw(c24.869,24.211) 24.869,24.875 cw(c24.869,25.539) C2.2@24.399,25.069 ; v1@77.723,64.777 ccw(c77.339,65.161) 77.882,65.161 ccw(c78.425,65.161) v1@78.041,64.777 ; X1.5@77.811,65.421 cw(c77.641,65.25) 77.882,65.25 cw(c78.123,65.25) X1.5@77.953,65.421 ; v1(77.882,64.618) X1.5@77.882,66.316 ; v1@80.1,33.7 ccw(c79.557,33.7) 79.941,34.084 ccw(c80.325,34.468) v1@80.325,33.925
  Bottom Layer w0.15: v1@77.657,64.618 cw(c77.114,64.618) 77.498,64.234 cw(c77.882,63.849) v1@77.882,64.393 ; v1(77.882,64.618) 77.174,63.909 77.174,55.815 80.445,52.544 80.445,35.75 80.325,35.63 v1(80.325,33.7) ; v1@80.166,33.859 ccw(c79.782,34.243) 80.325,34.243 ccw(c80.868,34.243) v1@80.484,33.859
LINEIN_R: C1.2 X1.7 X26.32 X26.33 | length 129.1
  Top Layer w0.15: X26.33@17.802,30.423 ccw(c16.479,31.746) 18.35,31.746 ccw(c20.221,31.746) 18.898,30.423 ccw(c20.221,31.746) 20.221,29.875 ccw(c20.221,28.004) X26.33@18.898,29.327 ; X26.32@17.802,31.827 cw(c16.479,30.504) 18.35,30.504 cw(c20.221,30.504) X26.32@18.898,31.827 ; X26.33@17.908,30.317 ccw(c16.841,31.384) 18.35,31.384 ccw(c19.859,31.384) 18.792,30.317 ccw(c19.859,31.384) 19.859,29.875 ccw(c19.859,28.366) X26.33@18.792,29.433 ; X26.32@17.908,31.933 cw(c16.841,30.866) 18.35,30.866 cw(c19.859,30.866) X26.32@18.792,31.933 ; X26.33@18.014,30.211 ccw(c17.203,31.021) 18.35,31.021 ccw(c19.497,31.021) 18.686,30.211 ccw(c19.497,31.021) 19.497,29.875 ccw(c19.497,28.728) X26.33@18.686,29.539 ; X26.32@18.014,32.039 cw(c17.203,31.228) 18.35,31.228 cw(c19.497,31.228) X26.32@18.686,32.039 ; X26.32@18.129,31.632 cw(c18.065,31.419) 18.283,31.379 cw(c18.576,31.326) X26.32@18.514,31.617 ; X26.32@18.187,31.617 cw(c18.124,31.326) 18.417,31.379 cw(c18.636,31.419) X26.32@18.572,31.632 ; X26.32@18.35,32.375 X26.33@18.35,29.875 C1.2@24.1,29.875 69.354,29.875 72.385,32.906 72.385,33.548 73.437,34.6 80.625,34.6 ; C1.2@23.831,29.68 ccw(c23.361,29.211) 23.361,29.875 ccw(c23.361,30.539) C1.2@23.831,30.069 ; C1.2@24.369,29.68 cw(c24.839,29.211) 24.839,29.875 cw(c24.839,30.539) C1.2@24.369,30.069 ; v1(77.749,63.703) 78.486,64.44 X1.7@78.486,66.316 ; v1@77.749,63.928 ccw(c77.749,64.471) 78.133,64.087 ccw(c78.518,63.703) v1@77.974,63.703 ; X1.7@78.411,65.421 cw(c78.231,65.24) 78.486,65.24 ; 78.486,65.26 cw(c78.714,65.26) X1.7@78.553,65.421 ; v1@80.775,34.229 ccw(c80.263,34.238) 80.625,34.6 ; v1@80.996,34.45 cw(c80.987,34.962) 80.625,34.6 ; v1(81,34.225) 80.625,34.6
  Bottom Layer w0.15: v1@77.59,63.544 cw(c77.206,63.16) 77.749,63.16 cw(c78.293,63.16) v1@77.908,63.544 ; v1(77.749,63.703) 77.749,58.051 78.64,57.16 78.64,55.475 80.745,53.37 80.745,34.48 v1(81,34.225)